# Allegro board FRDM-A-S32K356_PCBLayout.brd (continued)
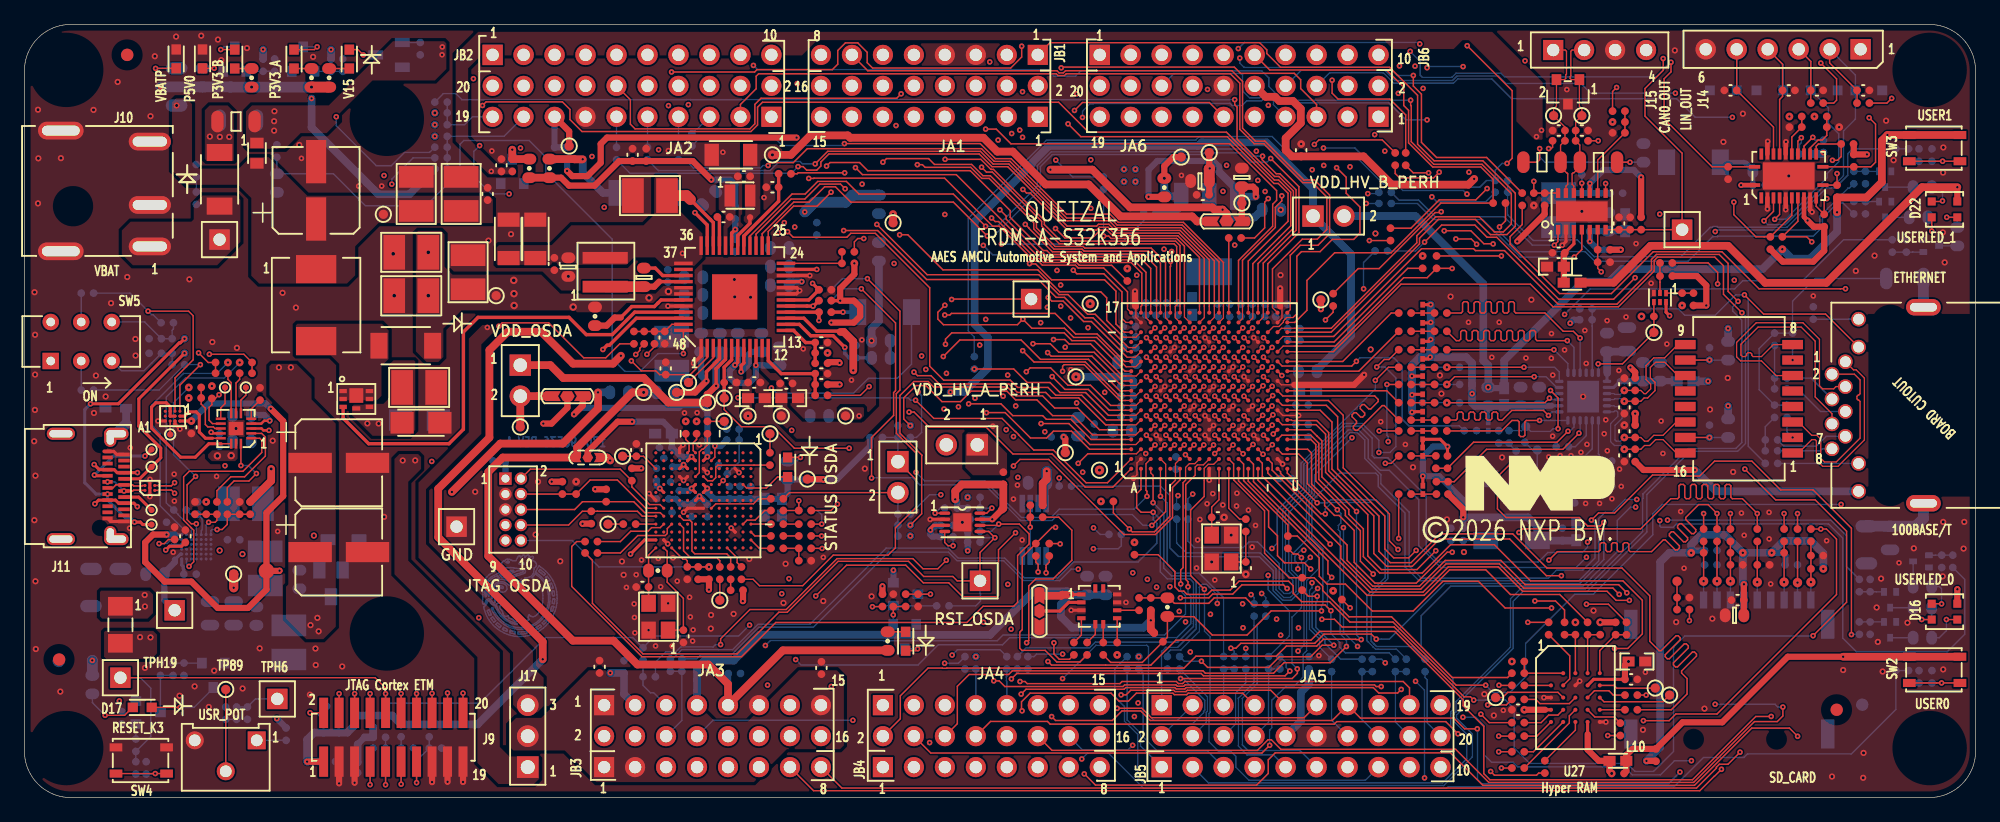
[diagram p0: board, top side]
## Routing (per net, layer and track width the routed paths; a pad name or vN(x,y) marks a point on that pad's centre or on a via; arc(x,y) is an arc through that point) (continued)
  TOP w0.118: v1(78.48,51.71) 78.88,51.31 79.37,51.31 83.41,47.26 83.41,46.88 84.86,45.43 86.91,45.43 86.91,45.42 94.27,45.42 94.48,45.21 94.48,40.41 94.37,40.29
  L3_INT_1 w0.127: JA1.5 78.02,52.18 v1(78.48,51.71)
PTD3: length 31.4
  TOP w0.102: U2.F17 94.75,40.29
  TOP w0.118: v1(75.49,52.36) 78.42,52.36 79.25,51.53 79.28,51.53 79.46,51.53 83.63,47.35 83.63,47.01 84.99,45.65 87,45.65 87.01,45.64 94.4,45.64 94.75,45.29 94.75,40.29
  L3_INT_1 w0.127: v1(75.49,52.36) 75.49,54.81 75.48,54.83 JA1.7
PTD4: length 17.2
  TOP w0.102: U2.G16 95.12,39.41 95.12,40.29
  TOP w0.118: 95.12,40.29 95.12,45.23 94.49,45.86 89.11,45.86 88.91,46.06 v1(88.5,46.06)
  BOTTOM w0.118: v1(88.5,46.06) 88.5,49.36 88.47,49.39 R48.1
PTD5: length 64.5
  TOP w0.102: U2.U5 104.13,30.18
  TOP w0.118: JA4.2 71.82,6.47 71.82,8.35 74.1,10.63 75.26,10.63 75.28,10.61 75.63,10.61 75.65,10.63 95.09,10.63 96.06,11.6 102.65,11.6 103.48,12.43 105.97,12.43 106.52,12.99 109.17,12.99 109.2,12.96 v1(109.61,12.96) ; 104.13,30.18 105.47,30.18 105.99,29.66 106,29.66 106.39,29.26 106.39,26.31 v1(109.23,23.47)
  BOTTOM w0.118: v1(109.23,23.47) 109.23,13.34 v1(109.61,12.96)
PTD6: length 66.1
  TOP w0.118: JA4.4 74.32,3.66 101.47,3.66 v1(102.11,4.29)
  TOP w0.127: U2.T5 v1(102.4,29.82)
  L3_INT_1 w0.102: v1(102.4,29.82) 104.13,29.82
  L3_INT_1 w0.127: v1(108.86,29.52) 108.56,29.82 104.13,29.82
  BOTTOM w0.118: v1(102.11,4.29) 102.11,5.53 102.28,5.7 102.28,7.98 103.47,9.17 104.12,9.17 104.85,9.9 104.85,11.77 105.14,12.06 105.14,17.81 106.13,18.8 106.13,20.32 105.35,21.1 105.35,24.43 105.78,24.86 105.78,26.44 v1(108.86,29.52)
PTD13: length 25.5
  TOP w0.127: U2.P5 v1(101.51,30.53)
  L4_INT_2 w0.102: v1(101.51,30.53) 101.13,30.15 99.95,30.15 99.64,29.83 99.64,28.57 99.42,28.35 99.42,27.19 100.56,26.04
  L4_INT_2 w0.127: v1(105.58,17.62) 104.14,17.62 103.23,18.54 103.23,23.36 102.71,23.87 102.71,23.89 100.56,26.04
  BOTTOM w0.118: R427.2 106.19,12.35 106.19,13 105.37,13.82 105.37,17 105.58,17.21 v1(105.58,17.62)
PTD14: length 22.2
  TOP w0.127: U2.M4 v1(99.2,29.73)
  L4_INT_2 w0.102: v1(99.2,29.73) 98.98,29.73 98.21,28.97 98.21,27.18 99.35,26.04
  L4_INT_2 w0.127: 99.35,26.04 101.6,23.79 101.6,18.62 v1(101.99,18.23)
  BOTTOM w0.118: v1(101.99,18.23) 101.99,17.05 103.72,15.31 103.72,13.27 R428.2
PTD15: length 18
  TOP w0.118: R7.2 v1(108.71,15.57)
  L4_INT_2 w0.127: v1(108.71,15.57) 110.19,14.09 110.19,12.41 109.31,11.53 107.5,11.53 104.48,14.55 103.62,14.55 101.31,12.24 v1(100.15,12.24)
  BOTTOM w0.118: R429.2 v1(100.15,12.24)
PTD16: length 18.9
  TOP w0.118: v1(112.69,21.25) R187.1 ; v1(107.07,20.79) 101.51,26.35 101.51,27.42 U2.P2
  L3_INT_1 w0.127: v1(112.69,21.25) 107.53,21.25 v1(107.07,20.79)
PTD17: length 13.4
  TOP w0.118: U2.N3 v1(100.75,28.97) ; v1(111.59,27.42) 112.08,27.42 R189.1
  L3_INT_1 w0.102: v1(100.75,28.97) 101.42,28.97 102.08,28.3 104.13,28.3
  L3_INT_1 w0.127: v1(111.59,27.42) 110.14,27.42 109.26,28.3 104.13,28.3
PTD20: length 147.1
  TOP w0.127: U2.K15 v1(98.31,38.53)
  L3_INT_1 w0.102: 98.31,40.29 v1(98.31,38.53)
  L3_INT_1 w0.127: 98.31,40.29 98.31,43.11 102.6,47.4 103.02,47.4 105.92,50.3 105.92,51.18 v1(105.59,51.5) ; v1(52.81,56.76) 52.81,56.34 52.58,56.11 52.58,55.48 54.55,53.52 54.55,53.24 56.64,51.14 59.16,51.14 60.57,49.73 61.38,49.73 64,47.11 64,45.86 62.31,44.17 62.31,41.06 62.44,40.93 62.44,35.8 62.51,35.73 62.51,31.97 61.36,30.81 61.36,14.23 58.85,11.73 58.85,6.05 57.85,5.04 JA3.10
  L4_INT_2 w0.127: v1(52.81,56.76) 52.38,57.19 52.38,61.68 53.29,62.59 61.07,62.59 61.16,62.5 62.27,62.5 64.15,60.62 64.15,54.08 65.47,52.75 68.81,52.75 70.1,51.46 75.31,51.46 76.94,53.09 79.54,53.09 79.68,52.95 83.99,52.95 84.23,53.19 96.65,53.19 98.4,51.44 105.12,51.44 105.18,51.5 v1(105.59,51.5)
PTD21: length 140.2
  TOP w0.127: U2.H15 v1(96.71,38.53)
  L3_INT_1 w0.102: 96.71,40.29 v1(96.71,38.53)
  L3_INT_1 w0.127: 96.71,40.29 96.71,43.66 101.42,48.38 101.42,49.4 v1(101.74,49.71) ; v1(54.44,56.84) 54.44,56.82 54.88,56.39 54.88,53.43 56.78,51.52 59.1,51.52 60.67,49.95 61.48,49.95 64.22,47.21 64.22,45.53 62.54,43.84 62.54,41.16 62.67,41.03 62.67,35.9 62.87,35.7 62.87,31.79 61.61,30.53 61.61,14.01 59.25,11.65 59.25,6.05 60.24,5.06 JA3.12
  L4_INT_2 w0.127: v1(101.74,49.71) 101.41,50.04 99.95,50.04 98.78,51.21 98.13,51.21 96.41,52.94 95.42,52.94 95.39,52.96 87.17,52.96 87.15,52.94 84.3,52.94 84.08,52.72 79.59,52.72 79.57,52.73 77.32,52.73 75.74,51.15 70.08,51.15 68.71,52.52 65.37,52.52 63.92,53.98 63.92,60.28 61.93,62.27 61.06,62.27 61.04,62.3 53.32,62.3 52.61,61.59 52.61,57.55 52.77,57.39 53.89,57.39 v1(54.44,56.84)
PTD23: length 104.8
  TOP w0.102: U2.E17 93.96,40.29
  TOP w0.118: v1(93.98,43.99) 93.98,43.58 93.96,43.55 93.96,40.29 ; JA5.17 113.58,9 113.05,9.52 95.14,9.52 94.97,9.35 94.63,9.35 94.46,9.52 90.01,9.52 89.83,9.35 82.23,9.35 82.05,9.52 v1(81.64,9.52)
  L3_INT_1 w0.127: v1(81.64,9.52) 81.64,17.4 80.15,18.88 80.15,22.21 80.24,22.3 80.24,22.58 80.15,22.67 80.15,23.42 79.86,23.72 79.86,29.43 78.99,30.3 78.99,30.91 79.31,31.23 79.31,32.03 78.7,32.64 78.7,35.48 78.33,35.85 v1(78.33,37.12) 78.33,38.38 78.18,38.53 78.18,44.84 v1(78.63,45.3)
  L4_INT_2 w0.127: v2(65.86,36.48) 72.21,36.48 72.95,37.21 74.32,37.21 74.78,36.75 77.96,36.75 v1(78.33,37.12)
  BOTTOM w0.118: v1(78.63,45.3) 79.41,44.52 93.43,44.52 93.66,44.29 93.69,44.29 v1(93.98,43.99)
PTD24: length 109.9
  TOP w0.102: U2.D16 92.83,39.3 92.83,40.29
  TOP w0.118: v1(112.9,8.87) 112.6,8.58 111.05,8.58 110.61,9.02 95.26,9.02 95.15,8.91 94.45,8.91 94.34,9.02 90.31,9.02 90.17,8.89 82.13,8.89 v1(81.73,8.49) ; R38.1 68.55,33 v1(69.27,33.72) ; v1(82.07,47.02) 82.37,46.73 82.37,46.7 84.3,44.77 86.63,44.77 86.82,44.58 91.77,44.58 92.83,43.52 92.83,40.29
  L3_INT_1 w0.127: v1(81.73,8.49) 82.64,9.4 82.64,17.3 80.7,19.24 80.7,22.77 80.66,22.8 80.66,26.06 81.59,26.99 81.59,29.4 81.7,29.52 81.7,32.72 80.63,33.79 v1(80.63,34.66) 80.63,42.76 82.07,44.2 v1(82.07,47.02) ; v1(112.9,8.87) 113.25,8.52 115.18,8.52 JA5.19
  L4_INT_2 w0.127: v1(69.27,33.72) 70.78,33.72 71.53,34.46 74.42,34.46 75.17,35.22 75.78,35.22 76.78,34.22 80.05,34.22 80.48,34.66 v1(80.63,34.66)
PTD25: length 32.2
  TOP w0.102: 91.97,40.29 91.97,39.36 U2.C16
  TOP w0.118: 91.97,40.29 91.97,43.09 90.94,44.11 86.67,44.11 86.45,44.33 83.89,44.33 83.57,44.65 83.3,44.65 80.5,47.45 80.5,47.7 v1(79.99,48.22)
  L3_INT_1 w0.127: v1(79.99,48.22) 80.5,48.73 80.5,54.5 79.57,55.43 79.57,59.93 JB1.2
PTD26: length 39.4
  TOP w0.102: 90.3,39 90.32,38.98 U2.A16
  TOP w0.118: 90.3,39 90,39.3 90,41.48 88.51,42.96 86.3,42.96 v1(86.01,43.26)
  L3_INT_1 w0.127: v1(86.76,55.79) 86.76,55.46 87.02,55.2 87.02,48.51 87.03,48.51 87.03,44.28 v1(86.01,43.26)
  BOTTOM w0.118: v1(86.76,55.79) 86.76,56.29 87.37,56.9 87.65,56.9 87.68,56.94 98.85,56.94 99.02,56.77 99.85,56.77 100.23,57.15 101.44,57.15 101.63,57.34 102.25,57.34 102.41,57.17 102.41,56.84 JA6.7
PTD27: length 53.8
  TOP w0.102: U2.A15 90.3,38.18
  TOP w0.118: v1(82.42,43.8) 82.45,43.78 82.92,43.78 84.23,42.47 88.57,42.47 89.5,41.54 89.5,38.85 90.18,38.18 90.3,38.18 ; JA6.5 105.96,56.85 104.65,58.16 104.65,58.88 104.13,59.41 99.72,59.41 99.21,59.92 85.08,59.92 v1(85.02,59.86)
  L3_INT_1 w0.127: v1(85.02,59.86) 85.02,55.62 84.93,55.53 84.93,53.1 85.5,52.53 85.5,46.36 82.93,43.8 v1(82.42,43.8)
PTD28: length 39.2
  TOP w0.102: U2.B13 91.1,36.12 90.42,36.12 90.3,36.23
  TOP w0.118: v1(83.95,41.02) 84.24,40.73 85.18,40.73 86.85,39.05 87.49,39.05 90.3,36.23 ; JA6.11 97.16,57.02 86.76,57.02 v1(86.1,56.36)
  L3_INT_1 w0.127: v1(86.1,56.36) 86.1,55.47 86.3,55.27 86.3,45.98 83.95,43.63 v1(83.95,41.02)
PTD29: length 28.7
  TOP w0.127: U2.C14 v1(92,37.73)
  L3_INT_1 w0.102: 92,40.29 v1(92,37.73)
  L3_INT_1 w0.127: 92,40.29 92,41.43 92.09,41.51 92.09,46.13 89.64,48.57 89.64,52.12 90.56,53.03 98.07,53.03 JA6.9
PTD30: length 24.3
  TOP w0.127: U2.D13 v1(93.51,36.93)
  L3_INT_1 w0.102: v1(93.51,36.93) 93.17,37.27 91.79,37.27 91.12,37.94 91.12,40.29
  L3_INT_1 w0.127: 91.12,40.29 91.12,40.63 91.71,41.23 91.71,41.46 91.86,41.61 91.86,45.81 90.69,46.97 90.69,46.98 89.34,48.33 89.34,52.18 93,55.84 JA6.15
PTD31: length 41.3
  TOP w0.127: U2.C13 v1(92.71,36.93)
  L3_INT_1 w0.127: JA6.13 94.47,57.16 92.61,57.16 92.17,57.61 92.17,58.96 91.32,59.81 87.88,59.81 87.19,59.11 87.19,57.7 87.6,57.28 88.26,57.28 89.17,56.38 89.17,54.85 88.12,53.8 88.12,47.7 88.94,46.88 88.94,42.09 88.08,41.22 88.08,39.41 v1(87.21,38.55)
  L4_INT_2 w0.102: v1(92.71,36.93) 92.19,36.93 91.49,37.62 90.3,37.62
  L4_INT_2 w0.127: v1(87.21,38.55) 88.14,37.62 90.3,37.62
PTE0: length 50.1
  TOP w0.102: U2.B5 91.13,29.75 90.3,29.75
  TOP w0.118: v2(72.64,30.52) 72.1,31.06 72.1,32.79 73.11,33.8 73.92,33.8 75.24,32.48 76.76,32.48 77.62,33.34 80.56,33.34 81.28,32.62 83.02,32.62 84.32,31.33 86,31.33 87.58,29.75 90.3,29.75
  L3_INT_1 w0.127: v2(72.64,30.52) 72.64,29.44 72.76,29.32 72.76,23.09 73.45,22.41 73.45,19.13 76.07,16.5 v1(76.07,11.69)
  BOTTOM w0.118: v1(76.07,11.69) 76.51,12.13 80,12.13 R412.1
PTE1: length 47.3
  TOP w0.102: U2.A5 90.3,30.18
  TOP w0.118: 90.3,30.18 88.15,30.18 86.37,31.96 84.48,31.96 83.48,32.95 81.32,32.95 80.59,33.68 74.56,33.68 74.11,34.13 72.94,34.13 71.79,32.98 71.79,29.9 73.61,28.08 73.58,28.05 73.58,23.28 v2(72.64,22.35)
  L3_INT_1 w0.127: v1(75.45,11.02) 75.45,11.03 75.45,16.45 73.22,18.68 73.22,21.78 v2(72.64,22.35)
  BOTTOM w0.118: v1(75.45,11.02) 76.58,11.02 R417.1
PTE2: length 40.4
  TOP w0.102: U2.B10 91.18,33.8 90.3,33.8
  TOP w0.118: v1(83.9,36.5) 84.19,36.21 87.54,36.21 89.94,33.8 90.3,33.8
  L3_INT_1 w0.127: JA4.13 85.64,11.35 87.01,12.72 87.01,12.73 87.15,12.87 87.15,19.34 87.01,19.48 87.01,22.8 87.2,22.99 87.2,28.34 84.77,30.77 84.77,32.8 83.4,34.17 83.4,35.36 83.9,35.86 v1(83.9,36.5)
PTE3: length 203.7
  TOP w0.118: U2.N1 100.35,25.95 106.88,19.42 106.88,18.38 106.9,18.36 v1(107.2,18.06) ; v1(107.13,15.33) 106.66,15.8 100.72,15.8 100.14,16.38 97.56,16.38 97.11,15.94 94.3,15.94 93.85,16.38 R523.1 R521.2 R519.2
  L3_INT_1 w0.127: v1(25.57,55.85) 25.5,55.85 24.77,55.12 24.77,51.73 21.84,48.8 21.64,48.8 11.97,39.13 11.97,29.05 9.88,26.95 9.88,25.93 9.87,25.92 9.87,24.27 10.49,23.66 10.96,23.66 16.81,17.81 16.81,11.58 18.93,9.46 30.56,9.46 35.86,14.76 v1(37.26,14.76)
  L4_INT_2 w0.127: v1(37.26,14.76) 48.23,14.76 50.97,12.01 57.67,12.01 58.32,12.67 58.32,13.74 60.22,15.64 61.57,15.64 62.21,15 69.99,15 70.63,15.64 71.6,15.64 72.29,14.95 75.12,14.95 75.21,15.04 79.33,15.04 79.69,14.68 90.46,14.68 91.64,13.5 100.4,13.5 102.69,15.8 106.66,15.8 v1(107.13,15.33)
  BOTTOM w0.118: v1(25.57,55.85) 25.58,55.84 25.58,55.11 28.85,51.83 30.08,51.83 31.17,52.92 33.22,52.92 R400.1 ; v1(107.2,18.06) 106.84,17.71 106.84,15.62 v1(107.13,15.33) 107.13,13.45 107.87,12.72 107.87,12.32 108.32,11.87 111.9,11.87 R422.2
PTE4: length 51.7
  TOP w0.127: U2.G6 v1(95.2,31.33)
  L3_INT_1 w0.102: 90.54,26.04 90.54,27.97 90.3,28.2
  L3_INT_1 w0.127: v2(91.02,20.94) 90.19,21.77 90.19,22.21 90.56,22.58 90.56,25.98 90.54,26 90.54,26.04 ; JA6.19 88.18,54.83 87.86,54.51 87.86,48.51 87.87,48.51 87.87,42.37 86.43,40.93 86.43,37.65 87.48,36.6 87.48,31.02 90.3,28.2
  L4_INT_2 w0.102: v1(95.2,31.33) 94.73,30.85 94.73,30.37 94.8,30.3 94.8,29.44 94.7,29.34 94.25,29.34 93.95,29.04 93.95,26.04
  L4_INT_2 w0.127: 93.95,26.04 93.95,25.04 93.95,25.04 93.95,24.01 92.98,23.05 92.98,21.3 92.62,20.94 v2(91.02,20.94)
PTE5: length 49.4
  TOP w0.102: U2.F2 94.38,27.41 94.38,26.04
  TOP w0.118: R60.1 89.29,23.35 v1(90.61,22.04) 90.84,21.8 92.65,21.8 93.92,23.07 93.92,25.58 94.38,26.04
  L3_INT_1 w0.102: 91.33,26.04 91.33,27.49 90.3,28.52
  L3_INT_1 w0.127: JA6.17 88.42,53.55 88.42,47.96 89.3,47.08 89.3,41.81 88.41,40.92 88.41,35.14 87.71,34.43 87.71,31.12 90.3,28.52 ; v1(90.61,22.04) 90.9,22.33 90.9,25.6 91.33,26.03 91.33,26.04
PTE6: length 42.1
  TOP w0.102: U2.B11 91.16,34.59 90.3,34.59
  TOP w0.118: v1(84.38,37.57) 85.3,37.57 85.67,37.21 87.42,37.21 90.05,34.59 90.3,34.59
  L3_INT_1 w0.127: v1(84.38,37.57) 84.69,37.27 84.69,36 83.85,35.17 83.85,34.36 85.23,32.99 85.23,30.96 88.92,27.26 88.92,23.2 88.3,22.59 88.3,18.2 89.15,17.36 89.15,13.1 88.18,12.13 JA4.15
PTE7: length 104.1
  TOP w0.102: U2.M17 99.56,40.29
  TOP w0.118: v1(75.6,19.47) 74.9,18.77 73.68,18.77 72.85,19.6 66.63,19.6 62.46,15.43 59.49,15.43 57.09,13.03 v1(57.09,12.55) ; v1(78.82,54.83) 79.69,54.83 80.9,53.63 98.84,53.63 102.68,49.79 102.68,48.99 102.36,48.67 102.36,46.86 99.56,44.06 99.56,40.29
  L3_INT_1 w0.127: v1(75.6,19.47) 75.67,19.55 75.67,24.82 76.56,25.71 76.56,30.83 77.01,31.28 77.01,32.23 77.01,32.23 77.01,33.51 77.15,33.65 77.15,38.81 76.65,39.32 76.65,47.07 79.12,49.53 79.12,54.53 v1(78.82,54.83)
  BOTTOM w0.118: v1(57.09,12.55) 56.67,12.55 56.48,12.36 53.82,12.36 53.41,11.95 52.59,11.95 51.74,11.1 R420.1
PTE8: length 49.2
  TOP w0.127: U2.R4 v1(101.6,29.73)
  L3_INT_1 w0.102: 102.02,26.04 100.34,27.72 100.34,29.8 100.64,30.11 101.22,30.11 v1(101.6,29.73)
  L3_INT_1 w0.127: 102.02,26.04 105.04,23.02 105.04,23.02 105.91,22.15 v1(108.16,22.15)
  L4_INT_2 w0.127: v1(109.32,12.4) 108.18,13.54 108.18,15.33 107.43,16.08 102.19,16.08 101.24,15.13 99.86,15.13 99.07,15.92 v1(97.81,15.92)
  BOTTOM w0.118: R435.2 93.72,11.86 93.98,12.11 94.83,12.11 96.34,13.62 96.34,17.26 96.59,17.5 96.93,17.5 97.81,16.61 v1(97.81,15.92) ; v1(109.32,12.4) 108.16,13.56 v1(108.16,22.15)
PTE9: length 70.9
  TOP w0.118: v1(94.79,16.39) 97.13,16.39 97.43,16.69 99.08,16.69 99.83,17.45 103.24,17.45 v1(103.54,17.15) ; R259.1 111.89,35.94 111.5,35.94 v1(110.89,35.32) ; U2.R3 v1(102.32,28.94)
  L3_INT_1 w0.102: 104.13,28.94 v1(102.32,28.94)
  L3_INT_1 w0.127: v1(90.87,4.29) 90.87,4.82 92.36,6.3 92.36,8.46 94.68,10.78 94.68,12.48 95.7,13.5 95.7,15.06 94.79,15.97 v1(94.79,16.39) ; v1(111.07,28.31) 110.16,28.31 109.52,28.94 104.13,28.94
  BOTTOM w0.118: JA4.14 86.77,3.91 90.49,3.91 v1(90.87,4.29) ; v1(103.54,17.15) 103.18,17.51 103.18,23.64 104.9,25.37 104.9,27.34 108.25,30.69 109.69,30.69 111.07,29.31 v1(111.07,28.31) 111.97,28.31 112.46,28.8 112.46,34.41 111.55,35.32 111.09,35.32 111.07,35.3 110.91,35.3 v1(110.89,35.32)
PTE13: length 53.1
  TOP w0.102: U2.F1 94.75,26.06 94.74,26.04
  TOP w0.118: 94.74,26.04 94.14,25.44 94.14,22.98 92.75,21.58 90.15,21.58 83.99,27.74 81.63,27.74 v1(81.1,27.21)
  L3_INT_1 w0.127: v1(80.11,45.4) 79.24,44.54 79.24,38.11 79.26,38.1 79.26,32.89 80.08,32.07 80.08,30 81.1,28.99 v1(81.1,27.21)
  BOTTOM w0.118: R79.2 91.78,47.32 89.87,45.4 v1(80.11,45.4)
PTE14: length 25.2
  TOP w0.127: U2.L3 v1(99.11,28.93)
  L4_INT_2 w0.102: v1(99.11,28.93) 99.11,28.21 98.68,27.79 98.68,27.42 100.07,26.04
  L4_INT_2 w0.127: 100.07,26.04 102.93,23.17 102.93,18.49 104.27,17.16 v1(106.04,17.16)
  BOTTOM w0.118: v1(106.04,17.16) 105.59,16.71 105.59,13.94 106.64,12.9 106.64,12.65 106.95,12.34 106.95,12.33 107.2,12.08 107.21,12.08 107.94,11.35 R421.2
PTE15: length 51.5
  TOP w0.102: U2.D2 93.58,27.35 93.58,26.04
  TOP w0.118: v1(92.45,22.33) 93.58,23.47 93.58,26.04 ; v1(68.63,41.74) 71.43,38.93 71.43,33.38 71.27,33.22 71.27,31.35 69.46,29.54 v1(69.46,26.21)
  BOTTOM w0.118: v1(69.46,26.21) 69.49,26.24 72.83,26.24 73.42,25.65 78.77,25.65 81.69,22.73 84.27,22.73 84.76,23.22 90.84,23.22 91.73,22.33 v1(92.45,22.33) ; R34.1 67.14,41.74 v1(68.63,41.74)
PTE16: length 45.6
  TOP w0.102: 91.97,26.04 91.97,27.39 U2.C2
  TOP w0.118: v1(92.05,24.71) 92.05,25.13 91.97,25.21 91.97,26.04 ; v1(69.13,42.57) 71.79,39.9 71.79,33.43 71.49,33.13 71.49,29.88 73.11,28.27 v1(73.11,26.69)
  BOTTOM w0.118: R35.1 67.08,42.57 v1(69.13,42.57) ; v1(73.11,26.69) 73.82,25.98 78.75,25.98 81.75,22.98 84.18,22.98 84.86,23.66 91,23.66 v1(92.05,24.71)
PTE17: length 146.9
  TOP w0.118: U4.10 15.42,30.68 15.14,30.96 15.14,32.01 15.37,32.24 R92.2 15.65,32.74 v1(15.96,33.05)
  TOP w0.127: U2.D12 v1(92.8,36.13)
  L3_INT_1 w0.127: v1(47.55,48.42) 45.65,50.32 38.08,50.32 36.19,48.42 23.07,48.42 15.28,40.63 15.28,38.65 15.96,37.97 v1(15.96,33.05) ; v1(81.61,54.75) 81.61,54.59 81.41,54.39 81.41,50.6 81.04,50.23 81.04,48.19 80.14,47.29 80.14,46.07 79.28,45.21 79.28,45.03 78.83,44.58 v1(78.83,39.23)
  L4_INT_2 w0.102: v1(92.8,36.13) 92.58,36.13 92.39,35.94 92.38,35.94 92.25,35.8 92.2,35.75 91.64,35.75 91.59,35.8 90.54,36.84 90.3,36.84
  L4_INT_2 w0.127: v1(47.55,48.42) 48.52,47.44 55.6,47.44 64.45,38.59 68.75,38.59 69.75,39.59 74.39,39.59 75.22,38.76 78.36,38.76 v1(78.83,39.23) 80.1,37.95 81.83,37.95 82.17,38.29 85.28,38.29 86.73,36.84 90.3,36.84 ; JA6.3 107.13,57.21 100.63,57.21 100.04,56.62 98.37,56.62 97.79,57.2 85.96,57.2 83.51,54.75 v1(81.61,54.75)
PTE18: length 80.3
  TOP w0.118: v1(68.83,45.86) 68.33,45.86 68.05,45.58 R39.1
  TOP w0.127: U2.D11 v1(93.51,35.33)
  L3_INT_1 w0.102: v1(93.51,35.33) 93.4,35.33 93.04,34.97 90.3,34.97
  L3_INT_1 w0.127: 90.3,34.97 90.01,35.26 90.01,41.09 91.21,42.28 v1(91.21,42.85) ; v1(86.3,57.73) 86.52,57.5 86.52,56.19 86.34,56.01 86.34,55.56 86.76,55.14 86.76,45.63 84.67,43.55 v1(84.67,43.24)
  L4_INT_2 w0.127: v1(86.3,57.73) 87.03,57.73 87.21,57.55 97.77,57.55 98.46,56.86 99.67,56.86 100.25,57.44 107.52,57.44 107.94,57.02 109.86,57.02 JA6.1 ; v1(68.83,45.86) 69.84,45.86 70.91,46.93 72.02,46.93 75.71,43.24 v1(84.67,43.24) 85.06,42.85 v1(91.21,42.85)
PTE19: length 36.8
  TOP w0.127: U2.C11 v1(92.71,35.33)
  L3_INT_1 w0.127: v1(85.34,36.95) 86.7,35.59 86.7,30.83 89.88,27.66 89.88,26.36 89.83,26.32 89.83,22.82 89.38,22.37 89.38,18.57 91.07,16.88 91.07,13.07 91.38,12.77 v2(91.38,11.57)
  L4_INT_2 w0.102: 90.3,35.33 v1(92.71,35.33)
  L4_INT_2 w0.127: v1(85.34,36.95) 85.34,36.94 86.05,36.24 89.06,36.24 89.96,35.33 90.3,35.33
PTE20: length 83.1
  TOP w0.127: U2.C10 v1(92,34.53)
  L3_INT_1 w0.127: v1(74.23,4.51) 74.5,4.78 74.5,7.16 74.49,7.17 74.49,9.21 74.83,9.55 76.64,11.36 76.64,16.33 73.68,19.29 73.68,22.5 73.62,22.55 73.62,23.09 73.68,23.14 73.68,31.44 73.3,31.82 73.3,31.82 73.17,31.95 72.81,31.95 72.43,32.33 72.43,33.34 73.49,34.41 73.49,36.15 v1(73.57,36.23)
  L4_INT_2 w0.102: 90.3,34.53 v1(92,34.53)
  L4_INT_2 w0.127: 90.3,34.53 89.26,34.53 88.34,35.45 79.9,35.45 79.17,34.72 77.48,34.72 76.5,35.7 75.01,35.7 74.54,36.17 74.53,36.17 74.47,36.23 v1(73.57,36.23) ; v1(74.23,4.51) 74.23,4.29 74.9,3.61 99.77,3.61 JB5.4
PTE21: length 130.4
  TOP w0.118: v1(98.93,12.26) 99.34,12.26 99.74,12.65 105.8,12.65 106.56,13.41 110.44,13.41 v1(110.85,13) ; v1(138.84,42.14) 138.85,42.15 138.85,43.07 138.06,43.86 R743.1 ; v1(122.05,27.58) 120.79,26.32 120.79,23.69 121.5,22.97 127.49,22.97 128.18,22.28 129.22,22.28 v1(129.51,22.58)
  TOP w0.127: U2.F9 v1(95.11,33.73)
  L3_INT_1 w0.102: 90.3,34.2 94.79,34.2 95.11,33.88 v1(95.11,33.73)
  L3_INT_1 w0.127: 90.3,34.2 89.54,34.2 v1(88.58,33.24) ; v1(122.05,27.58) 122.64,26.99 129.59,26.99 130.47,26.11 131.87,26.11 132.2,25.78 140.72,25.78 141.49,26.55 141.49,38.53 138.84,41.19 v1(138.84,42.14)
  L5_PWR_1 w0.127: v1(88.58,33.24) 88.58,27.96 89.15,27.4 89.15,15.97 92.56,12.56 98.62,12.56 v1(98.93,12.26)
  BOTTOM w0.118: v1(110.85,13) 111.26,13 111.26,13 111.92,13 116.49,17.57 127.55,17.57 129.51,19.53 v1(129.51,22.58) ; R416.2 99.21,12.01 98.96,12.26 v1(98.93,12.26)
PTE22: length 64.2
  TOP w0.102: 90.3,32.98 91.16,32.98 U2.B9
  TOP w0.118: JA5.7 99.89,8.57 95.43,8.57 95.31,8.45 94.29,8.45 94.17,8.57 91.18,8.57 90.53,7.92 89.75,7.92 89.1,8.57 82.47,8.57 81.76,7.86 81.76,7.16 v1(81.81,7.12) ; v1(81.86,36.66) 82.79,35.73 86.99,35.73 89.75,32.98 90.3,32.98
  L3_INT_1 w0.127: v1(81.81,7.12) 81.81,7.96 82.87,9.02 82.87,17.51 81.84,18.55 81.84,20.19 82.24,20.59 82.24,21.4 81.81,21.83 81.81,23.17 82.54,23.91 82.54,29.5 82.39,29.65 82.39,33.24 82.03,33.6 82.03,33.61 81.51,34.12 81.51,36.31 v1(81.86,36.66)
PTE23: length 48.3
  TOP w0.118: JA5.9 102.19,8.8 95.36,8.8 95.25,8.7 94.36,8.7 94.25,8.8 90.72,8.8 90.34,8.43 v1(89.93,8.43)
  TOP w0.127: U2.D8 v1(92.8,32.93)
  L3_INT_1 w0.127: v1(86.28,32.37) 86.28,30.87 89.61,27.55 89.61,22.92 88.99,22.3 88.99,18.48 90.84,16.63 90.84,12.57 90.02,11.76 90.02,11.53 89.93,11.44 89.93,8.85 89.93,8.85 v1(89.93,8.43)
  L4_INT_2 w0.102: v1(92.8,32.93) 92.8,32.9 92.25,32.34 90.3,32.34
  L4_INT_2 w0.127: 90.3,32.34 86.31,32.34 v1(86.28,32.37)
PTE24: length 55.5
  TOP w0.102: U2.A8 90.3,32.58
  TOP w0.118: v1(85.13,34.97) 85.13,35.38 85.26,35.51 86.9,35.51 89.84,32.58 90.3,32.58 ; JA5.11 104.93,6.55 92.4,6.55 91.63,7.33 89.61,7.33 v1(89.6,7.32)
  L3_INT_1 w0.127: v1(89.6,7.32) 89.6,8.06 89.46,8.21 89.46,11.14 89.61,11.29 v2(89.61,11.71) 90.5,12.6 90.5,15.25 89.91,15.84 89.91,16.19 90.15,16.43 90.15,17 88.76,18.39 88.76,22.4 89.38,23.01 89.38,27.45 85.78,31.05 85.78,33.81 85.4,34.2 85.38,34.2 85.18,34.4 85.18,34.41 85.13,34.46 v1(85.13,34.97)
PTE25: length 179.7
  TOP w0.102: U2.B8 91.15,32.17 90.3,32.17
  TOP w0.118: v1(130.56,58.25) 130.22,57.92 R454.1 ; 90.3,32.17 89.07,32.17 87.42,33.82 85.57,33.82 84.15,35.25 82.47,35.25 v1(82.16,34.93) ; v1(119.13,5.64) 118.09,5.64 117.21,6.52 109.56,6.52 JA5.13 107.24,6.33 92.32,6.33 91.54,7.11 90,7.11 89.21,6.33 84.55,6.33 v1(84.23,6.65)
  L3_INT_1 w0.127: v1(84.23,6.65) 84.23,7.07 84.23,8.8 83.47,9.57 83.47,17.64 82.4,18.71 82.4,19.26 83.23,20.1 83.23,22.38 83,22.61 83,29.8 82.95,29.85 82.95,33.33 82.48,33.79 82.48,33.8 82.16,34.12 v1(82.16,34.93) ; v1(130.56,58.25) 136.07,58.25 138.15,56.17 138.82,56.17 145.78,49.22 145.78,25.55 149.46,21.87 149.46,16.96 145.17,12.67 145.17,5.39 144.98,5.2 144.98,4.86 145.17,4.67 145.17,3.4 143.49,1.72 136.12,1.72 v1(135.75,2.1)
  BOTTOM w0.118: v1(135.75,2.1) 135.11,1.45 135.1,1.45 134.98,1.34 134.98,1.29 134.82,1.13 119.51,1.13 119.15,1.49 119.15,5.62 v1(119.13,5.64)
PTE26: length 111.9
  TOP w0.118: v1(67.63,28.66) 63.14,28.66 61.37,30.42 58.79,30.42 57.38,31.83 TP8.1
  TOP w0.127: U2.D5 v1(93.51,30.53)
  TOP w0.279: TP8.1 C182.1 57.38,35.3 57.99,35.91 U1.6
  L3_INT_1 w0.127: v1(67.63,28.66) 67.63,19.01 66.54,17.91 66.54,9.49 v1(66.17,9.12)
  L4_INT_2 w0.102: v1(93.51,30.53) 93.09,30.11 92.64,30.11 92.42,29.89 92.42,29.46 92.24,29.27 90.3,29.27
  L4_INT_2 w0.127: 90.3,29.27 86.72,29.27 86.23,28.79 80.47,28.79 78.72,30.53 73.87,30.53 72.3,28.95 67.93,28.95 v1(67.63,28.66) ; JA5.15 109.36,9.26 82.02,9.26 81.3,8.55 78.69,8.55 78.12,9.12 v1(66.17,9.12)
PTE27: length 54.8
  TOP w0.127: U2.G9 v1(95.91,33.73)
  L3_INT_1 w0.127: v1(75.41,31.87) 74.91,32.37 74.91,34.77 76,35.86 76,38.44 74.33,40.11 74.33,59.53 JB1.5
  L4_INT_2 w0.102: 90.3,32.6 90.37,32.6 90.42,32.55 92.16,32.55 92.38,32.77 92.38,33.11 92.59,33.32 95.2,33.32 95.61,33.73 v1(95.91,33.73)
  L4_INT_2 w0.127: 90.3,32.6 87.78,32.6 87.59,32.79 81.36,32.79 81.04,32.47 78.84,32.47 77.99,33.32 77.41,33.32 77.09,32.99 77.09,32.44 77.09,32.44 77.09,31.73 76.97,31.61 76.28,31.61 76.02,31.87 v1(75.41,31.87)
PTE28: length 73.7
  TOP w0.127: U2.C4 v1(92,29.73)
  L3_INT_1 w0.127: v1(80.5,30.18) 80.74,30.41 80.74,31.74 79.49,32.99 79.49,38.19 79.47,38.21 79.47,43.75 80.62,44.9 80.62,47.38 81.46,48.22 81.46,50.25 81.85,50.64 v1(81.85,54.16)
  L4_INT_2 w0.102: 90.3,29.73 v1(92,29.73)
  L4_INT_2 w0.127: JA6.2 111.04,57.37 112.09,56.31 112.09,54.55 111.5,53.96 110.54,53.96 110.41,54.09 101.86,54.09 101.56,54.39 83.7,54.39 83.47,54.16 v1(81.85,54.16) ; 90.3,29.73 86.56,29.73 86,29.16 80.84,29.16 80.5,29.5 v1(80.5,30.18)
PTE29: length 78.2
  TOP w0.127: U2.C5 v1(92.71,30.53)
  L3_INT_1 w0.127: v1(81.84,57.9) 82.54,57.21 83.26,57.21 84.09,56.38 84.09,53.27 83.56,52.75 83.56,49.25 84.97,47.84 84.97,46.51 84.63,46.17 84.22,46.17 82.64,47.75 81.88,47.75 81.28,47.14 81.28,44.19 80.04,42.95 80.04,42.94 79.94,42.85 79.94,38.38 79.95,38.38 79.95,33.83 80.67,33.1 80.67,32.14 81.19,31.62 81.19,29.7 v1(81.1,29.61)
  L4_INT_2 w0.102: 90.3,30.24 92.42,30.24 v1(92.71,30.53)
  L4_INT_2 w0.127: JA6.4 107.78,59.1 107.78,59.48 107.62,59.64 97.58,59.64 97.28,59.34 95.52,59.34 95.34,59.51 86.27,59.51 84.24,57.48 82.26,57.48 v1(81.84,57.9) ; v1(81.1,29.61) 81.52,29.61 81.64,29.5 84.14,29.5 85,30.35 90.02,30.35 90.13,30.24 90.3,30.24
PTE30: length 209.4
  TOP w0.102: U2.A4 90.3,29.38
  TOP w0.118: v1(111.26,9.11) 110.84,9.11 110.71,9.24 95.17,9.24 95.06,9.13 94.54,9.13 94.43,9.24 90.21,9.24 90.08,9.11 80.4,9.11 79.93,9.58 v1(79.48,9.58) ; 90.3,29.38 87.46,29.38 85.81,31.03 83.8,31.03 83.5,31.33 81.04,31.33 80.08,32.3 v1(77.43,32.3)
  L3_INT_1 w0.127: v1(77.43,32.3) 77.43,31.27 76.96,30.8 76.96,25.7 75.98,24.73 75.98,24.32 78.24,22.06 78.24,19.6 79.9,17.94 79.9,9.99 v1(79.48,9.58) ; v1(111.26,9.11) 111.35,9.11 112.08,8.38 112.08,4.12 112.36,3.84 116.62,3.84 119.07,1.39 144.9,1.39 145.98,2.47 145.98,12.11 149.97,16.1 149.97,22 146.43,25.55 146.43,39.92 147.26,40.74 147.26,49.67 145.37,51.57 144.42,51.57 140.19,55.8 v1(140.05,55.8)
  BOTTOM w0.118: v1(140.05,55.8) 137.01,55.8 135.48,57.33 121.94,57.33 120.33,58.95 117.54,58.95 117.19,58.6 112.29,58.6 111.44,59.46 107.03,59.46 JA6.6
PTE31: length 193.6
  TOP w0.102: 90.3,28.96 91.14,28.96 U2.B4
  TOP w0.118: 90.3,28.96 87.37,28.96 85.65,30.68 v1(83.37,30.68) ; v1(83.93,11.17) 84.22,10.87 88.66,10.87 88.66,10.87 92.37,10.87 94.41,12.91 105.5,12.91 106.22,13.63 112.37,13.63 117.97,8.03 117.97,7.54 119.67,5.84 119.67,1.97 120.17,1.46 136.78,1.46 141.97,6.66 v1(143.23,6.66)
  L3_INT_1 w0.127: v1(83.37,30.68) 83.37,30.3 83.25,30.18 83.25,29.22 83.37,29.11 83.37,22.64 83.96,22.05 83.96,19.36 84.61,18.7 84.61,15.06 84.72,14.95 84.72,13.95 83.93,13.15 v1(83.93,11.17) ; v1(135.38,57.78) 137.64,55.52 139.15,55.52 145.44,49.23 145.44,25.56 149.14,21.87 149.14,17.29 143.58,11.73 143.58,7 v1(143.23,6.66)
  BOTTOM w0.118: v1(135.38,57.78) 128.43,57.78 127.63,58.58 121.48,58.58 120.87,59.19 117.46,59.19 117.1,58.82 112.39,58.82 111.53,59.68 104.71,59.68 JA6.8
